# KiCad board enisadev.kicad_pcb
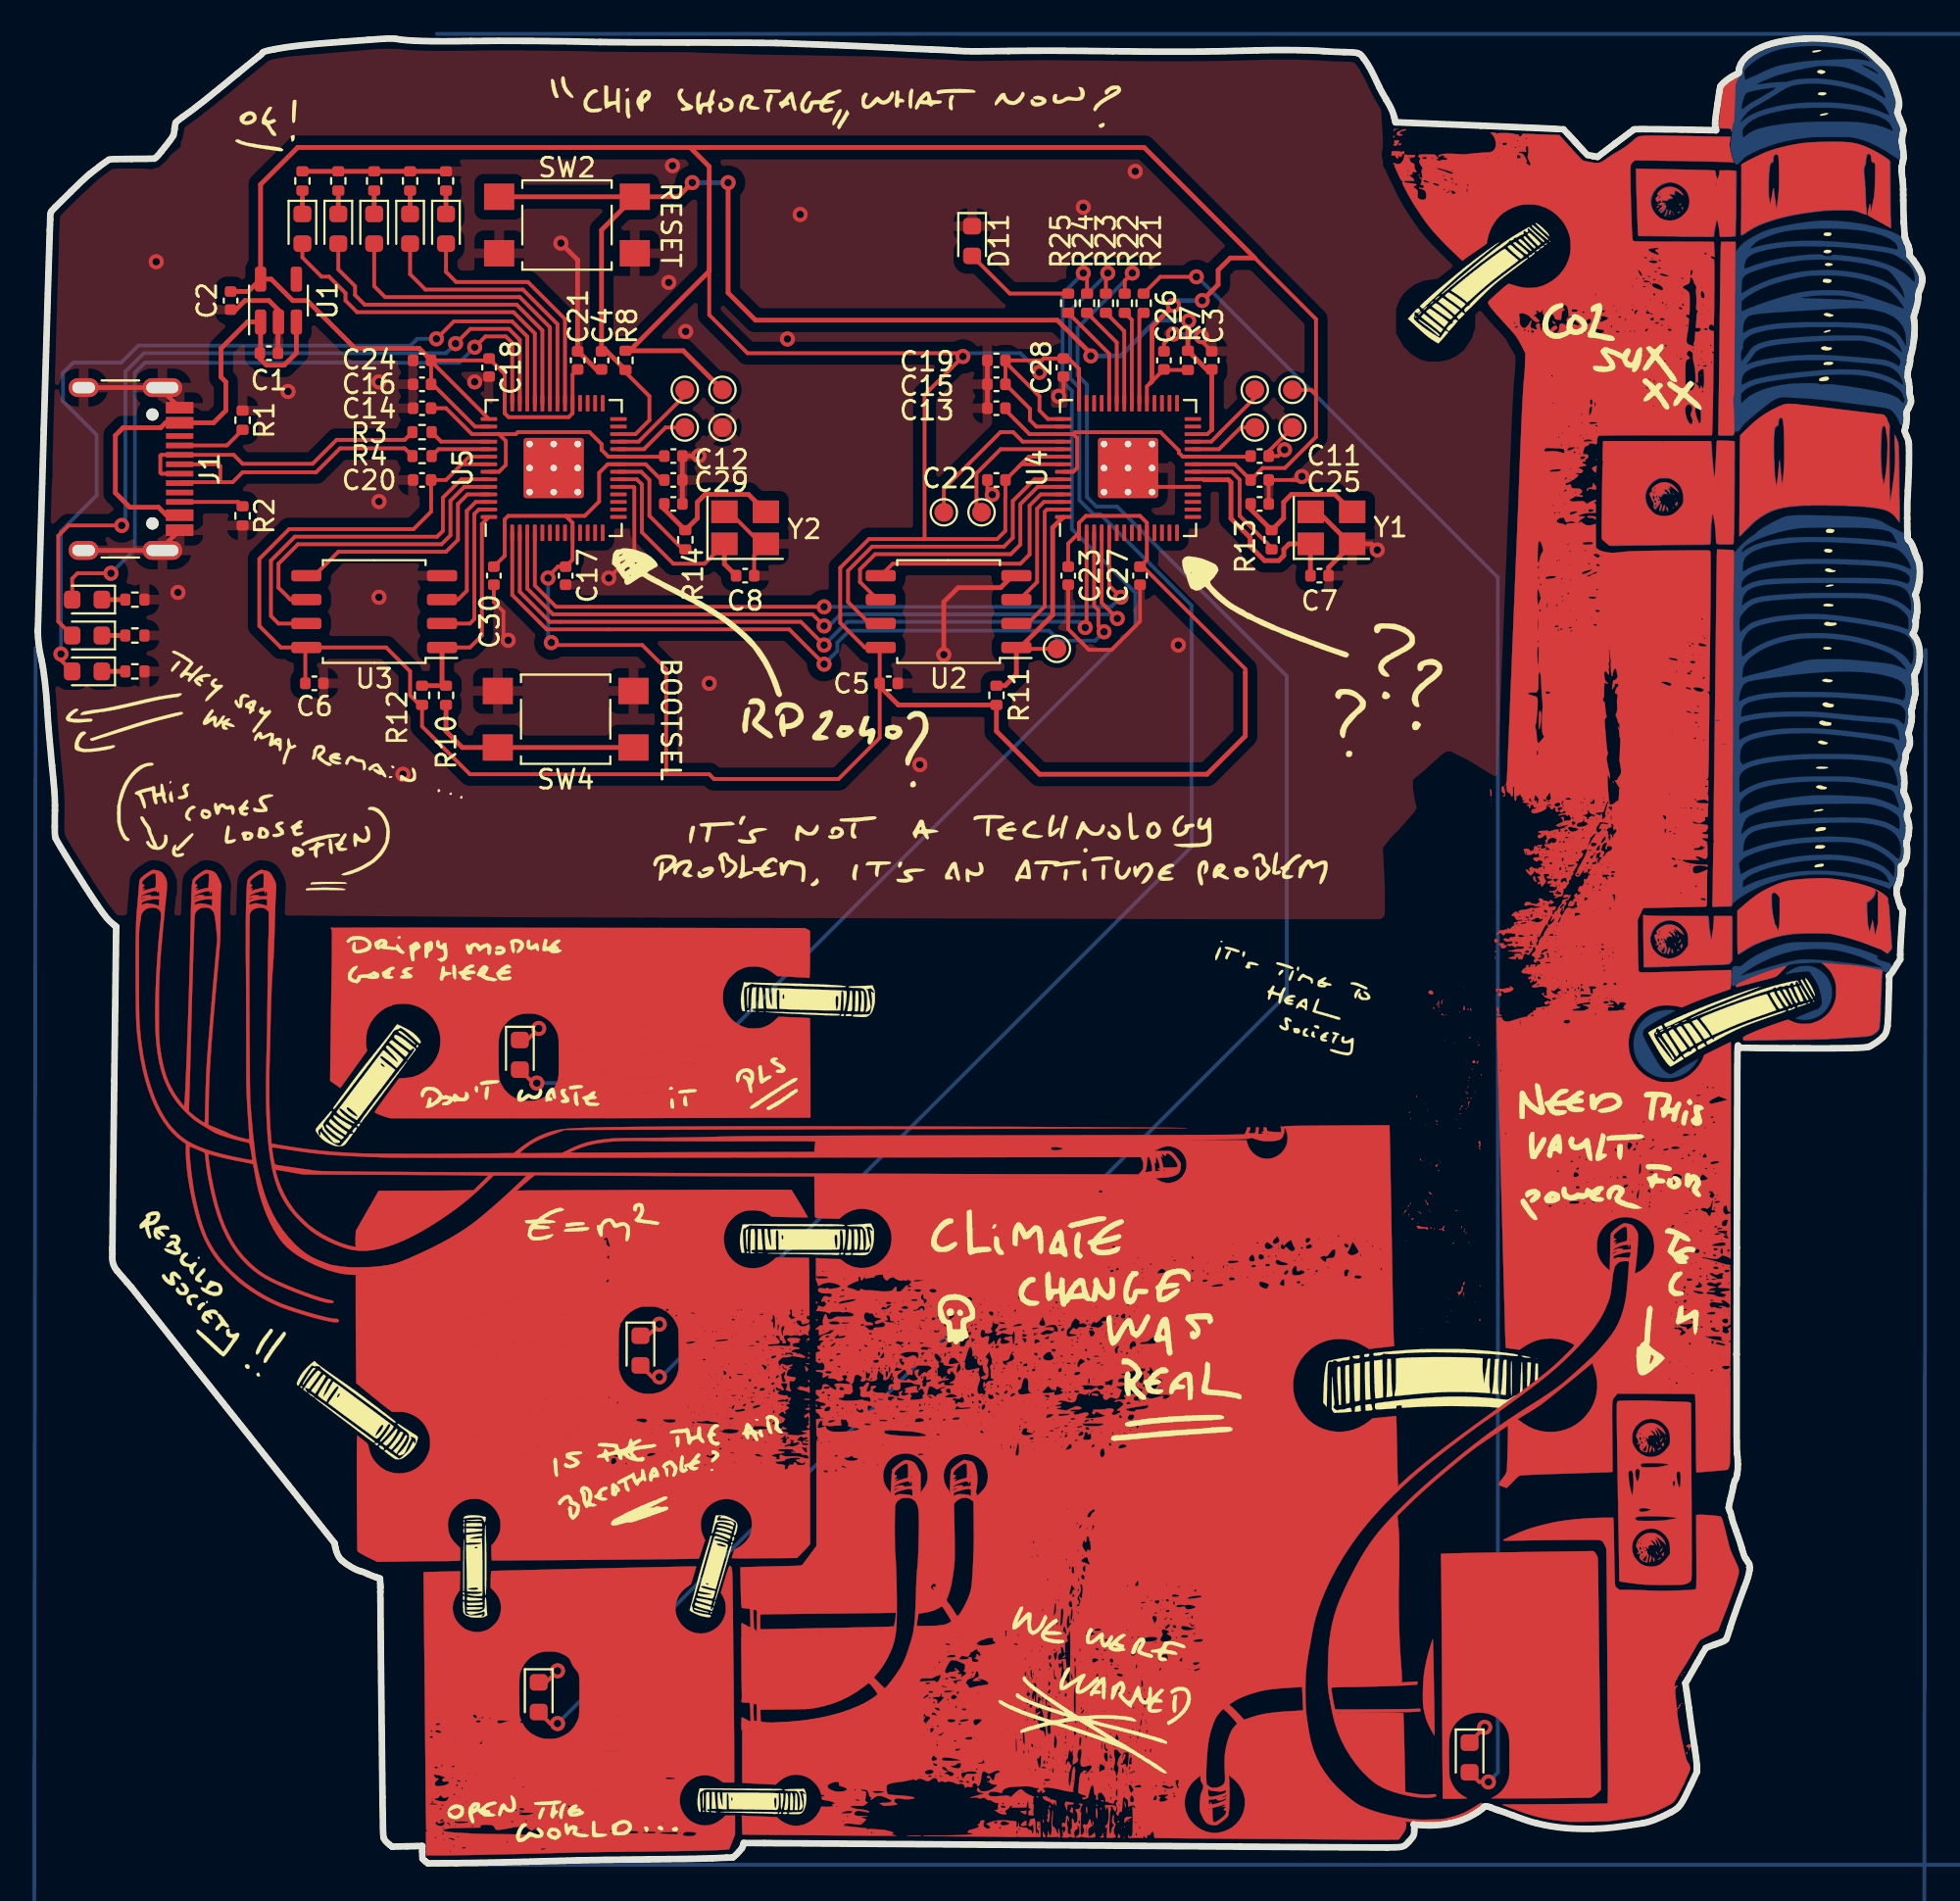
[diagram p0: board, top side]
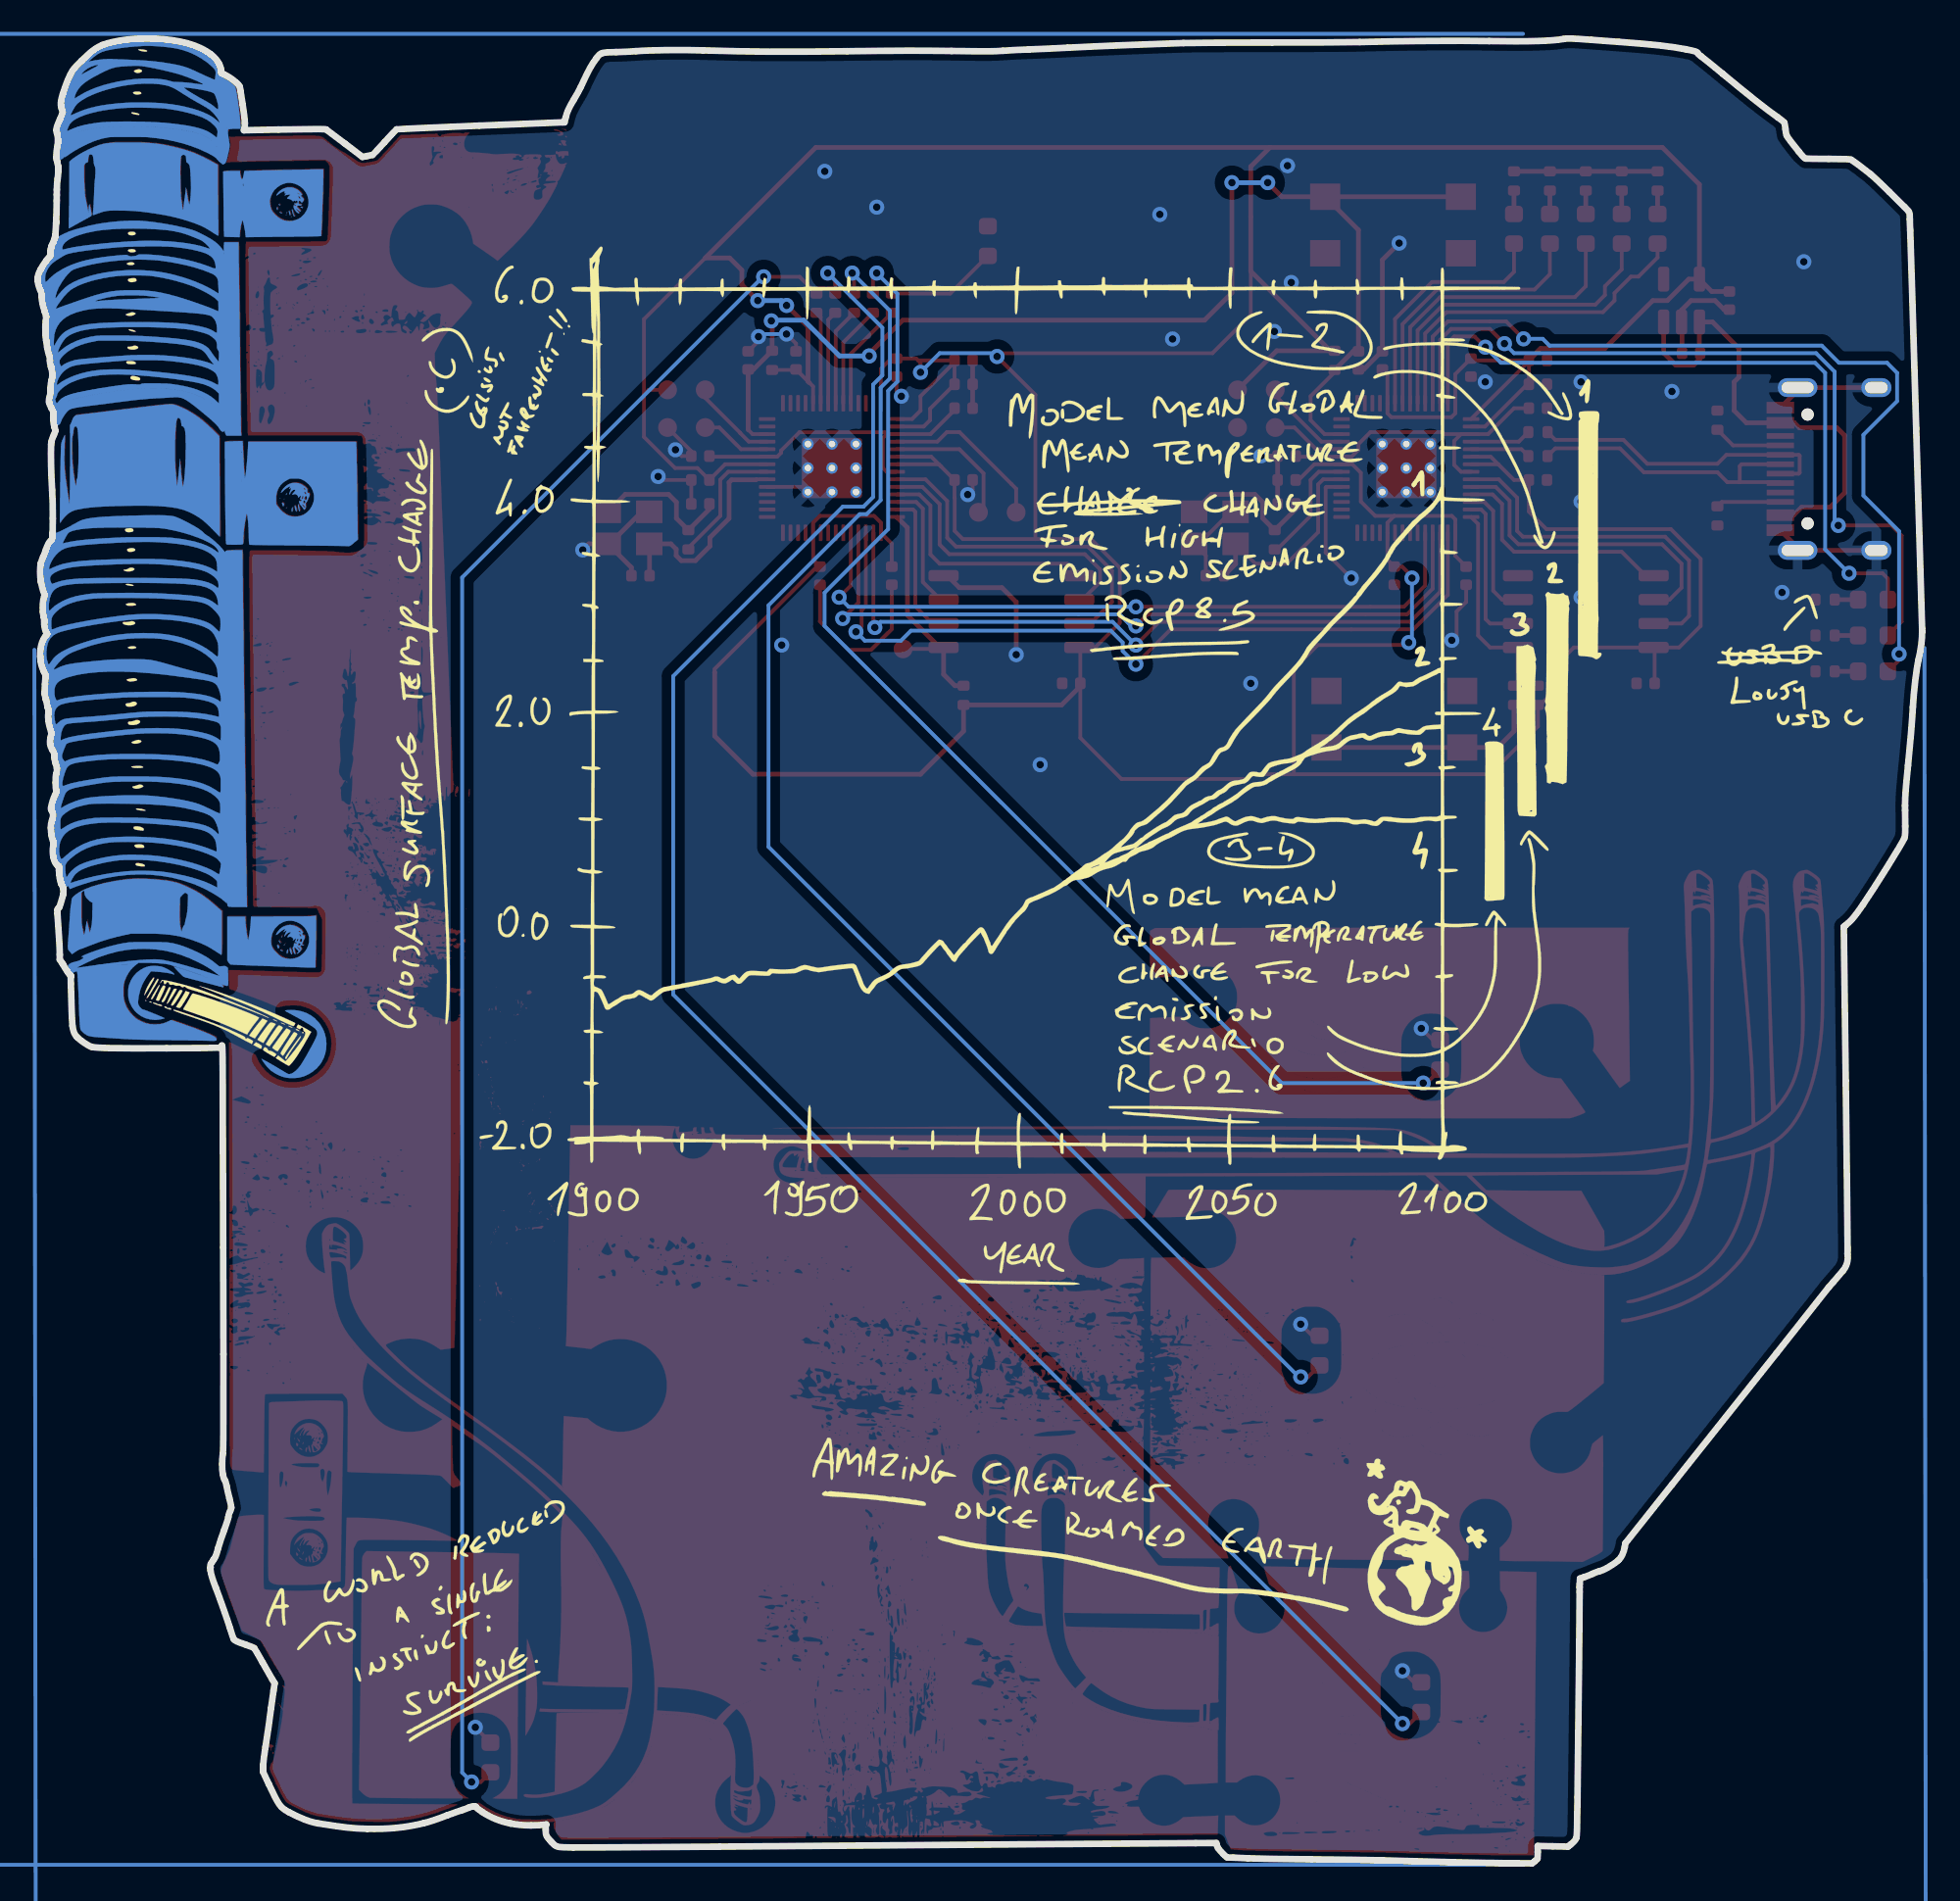
[diagram p1: board, bottom side, seen from below]

Outline 100.01 x 96.92 mm; copper layers: Top, Bottom. Coordinates in mm from the lower left corner of the outline.
Stack: Top 0.035mm / dielectric 1.51mm FR4 er 4.5 / Bottom 0.035mm

## Placement (name value [footprint] x y rotation side)
C1  1uF  [C_0402_1005Metric]  12.27 80.17 0 top
C2  1uF  [C_0402_1005Metric]  10.24 82.96 270 top
C3  100nF  [C_0402_1005Metric]  62.31 79.78 90 top
C4  100nF  [C_0402_1005Metric]  29.92 79.78 270 top
C5  100nF  [C_0402_1005Metric]  45.16 62.64 0 top
C6  100nF  [C_0402_1005Metric]  14.68 62.64 0 top
C7  8pF  [C_0402_1005Metric]  68.02 68.35 0 top
C8  8pF  [C_0402_1005Metric]  37.54 68.35 0 top
C9  8pF  [C_0402_1005Metric]  64.85 72.16 0 top
C10  8pF  [C_0402_1005Metric]  33.73 72.16 0 top
C11  100nF  [C_0402_1005Metric]  64.85 74.7 180 top
C12  100nF  [C_0402_1005Metric]  33.73 74.7 180 top
C13  1uF  [C_0402_1005Metric]  50.88 77.24 0 top
C14  1uF  [C_0402_1005Metric]  20.4 77.24 0 top
C15  1uF  [C_0402_1005Metric]  50.88 78.51 0 top
C16  1uF  [C_0402_1005Metric]  20.4 78.51 0 top
C17  100nF  [C_0402_1005Metric]  28.02 68.35 270 top
C18  100nF  [C_0402_1005Metric]  23.95 79.4 270 top
C19  100nF  [C_0402_1005Metric]  50.88 79.78 180 top
C20  100nF  [C_0402_1005Metric]  20.4 73.43 180 top
C21  100nF  [C_0402_1005Metric]  28.65 79.78 270 top
C22  100nF  [C_0402_1005Metric]  50.88 73.43 0 top
C23  100nF  [C_0402_1005Metric]  54.69 68.35 270 top
C24  100nF  [C_0402_1005Metric]  20.4 79.78 180 top
C25  100nF  [C_0402_1005Metric]  64.85 73.43 180 top
C26  100nF  [C_0402_1005Metric]  59.77 79.78 270 top
C27  100nF  [C_0402_1005Metric]  58.5 68.35 90 top
C28  100nF  [C_0402_1005Metric]  54.43 79.4 90 top
C29  100nF  [C_0402_1005Metric]  33.73 73.43 180 top
C30  100nF  [C_0402_1005Metric]  24.21 68.35 90 top
D4  LED  [LED_0603_1608Metric]  2.62 63.27 180 top
D5  LED  [LED_0603_1608Metric]  2.62 65.18 180 top
D6  LED  [LED_0603_1608Metric]  2.62 67.08 180 top
D7  LED  [LED_0603_1608Metric]  75.99 5.62 270 top
D8  LED  [LED_0603_1608Metric]  26.59 8.82 270 top
D9  LED  [LED_0603_1608Metric]  31.99 27.22 270 top
D10  LED  [LED_0603_1608Metric]  25.59 42.92 270 top
D11  LED  [LED_0603_1608Metric]  49.59 86.12 270 top
D12  LED  [LED_0603_1608Metric]  21.67 86.77 270 top
D13  LED  [LED_0603_1608Metric]  19.76 86.77 270 top
D14  LED  [LED_0603_1608Metric]  17.86 86.77 270 top
D15  LED  [LED_0603_1608Metric]  15.95 86.77 270 top
D16  LED  [LED_0603_1608Metric]  14.05 86.77 270 top
G***  LOGO  [ENISA22_B.SilkS]  40.39 51.32 0 top
G***#2  LOGO  [ENISA22_F.SilkS]  50.09 50.12 0 top
G***#3  LOGO  [ENISA22_B.Mask]  87.06 73.01 0 top
G***#4  LOGO  [ENISA22_HANDLE_B.SilkS]  50.12 50.16 0 top
G***#5  LOGO  [ENISA22_F.SilkS_FrontPosting]  50.09 50.12 0 top
G***#6  LOGO  [ENISA22_F.Mask]  50.09 50.12 0 top
G***#7  LOGO  [ENISA22_F.Cu]  50.09 50.12 0 top
G***#8  LOGO  [ENISA22_B.Cu]  88.32 72.95 0 bottom
J1  USB_C_Receptacle_USB2.0  [USB_C_Receptacle_HRO_TYPE-C-31-M-12]  3.49 74.02 270 top
R1  5.1k  [R_0402_1005Metric]  10.87 76.61 270 top
R2  5.1k  [R_0402_1005Metric]  10.87 71.53 270 top
R3  27R  [R_0402_1005Metric]  20.4 75.97 180 top
R4  27R  [R_0402_1005Metric]  20.4 74.7 180 top
R7  10k  [R_0402_1005Metric]  61.04 79.78 90 top
R8  10k  [R_0402_1005Metric]  31.19 79.78 270 top
R10  1k  [R_0402_1005Metric]  21.67 62 90 top
R11  10k  [R_0402_1005Metric]  50.88 62 90 top
R12  10k  [R_0402_1005Metric]  20.4 62 90 top
R13  1k  [R_0402_1005Metric]  65.48 70.26 90 top
R14  1k  [R_0402_1005Metric]  34.37 70.26 90 top
R18  1k  [R_0402_1005Metric]  5.16 63.27 180 top
R19  1k  [R_0402_1005Metric]  5.16 65.18 180 top
R20  1k  [R_0402_1005Metric]  5.16 67.08 180 top
R21  1k  [R_0402_1005Metric]  58.69 82.82 270 top
R22  1k  [R_0402_1005Metric]  57.69 82.82 270 top
R23  1k  [R_0402_1005Metric]  56.69 82.82 270 top
R24  1k  [R_0402_1005Metric]  55.69 82.82 270 top
R25  1k  [R_0402_1005Metric]  54.69 82.82 270 top
R26  1k  [R_0402_1005Metric]  21.67 89.31 270 top
R27  1k  [R_0402_1005Metric]  19.76 89.31 270 top
R28  1k  [R_0402_1005Metric]  17.86 89.31 270 top
R29  1k  [R_0402_1005Metric]  15.95 89.31 270 top
R30  1k  [R_0402_1005Metric]  14.05 89.31 270 top
SW2  SW_Push  [SW_SPST_TL3305A]  28.09 86.97 180 top
SW4  SW_Push  [SW_SPST_TL3305A]  28.02 60.73 180 top
TP1  TestPoint  [TestPoint_Pad_D1.0mm]  66.59 76.22 90 top
TP2  TestPoint  [TestPoint_Pad_D1.0mm]  64.59 76.22 90 top
TP3  TestPoint  [TestPoint_Pad_D1.0mm]  64.59 78.22 90 top
TP4  TestPoint  [TestPoint_Pad_D1.0mm]  66.59 78.22 90 top
TP5  TestPoint  [TestPoint_Pad_D1.0mm]  36.34 76.22 90 top
TP6  TestPoint  [TestPoint_Pad_D1.0mm]  34.34 76.22 90 top
TP7  TestPoint  [TestPoint_Pad_D1.0mm]  34.34 78.22 90 top
TP8  TestPoint  [TestPoint_Pad_D1.0mm]  36.34 78.22 90 top
TP9  TestPoint  [TestPoint_Pad_D1.0mm]  54.09 64.47 90 top
TP10  TestPoint  [TestPoint_Pad_D1.0mm]  50.09 71.72 90 top
TP11  TestPoint  [TestPoint_Pad_D1.0mm]  48.09 71.72 90 top
U1  TLV70233_SOT23-5  [SOT-23-5]  12.78 82.96 90 top
U2  W25Q32JV  [SOIC-8_5.23x5.23mm_P1.27mm]  48.34 66.45 180 top
U3  W25Q32JV  [SOIC-8_5.23x5.23mm_P1.27mm]  17.86 66.45 180 top
U4  RP2040  [RP2040-QFN-56]  57.86 74.07 90 top
U5  RP2040  [RP2040-QFN-56]  27.38 74.07 90 top
Y1  Crystal_GND24  [Crystal_SMD_3225-4Pin_3.2x2.5mm]  68.66 70.89 0 top
Y2  Crystal_GND24  [Crystal_SMD_3225-4Pin_3.2x2.5mm]  37.54 70.89 0 top

## Library data of the parts
C1 C2 C13-C16 = -: LCSC: C52923
C3-C6 C11 C12 C17-C30 = -: LCSC: C1525
C7-C10 = -: LCSC: C26408
D4-D16 = -: LCSC: C2290
J1 = -: LCSC: C167321
R1 R2 = -: LCSC: C25905
R3 R4 = -: LCSC: C25100
R7 R8 R11 R12 = -: LCSC: C25744
R10 R13 R14 R18-R30 = -: LCSC: C11702
SW2 SW4 = -: LCSC: C92581
U1 = -: LCSC: C51282
U2 U3 = -: LCSC: C82344
U4 U5 = -: LCSC: C2040
Y1 Y2 = -: LCSC: C279584

## Footprints (pads in the part's own frame, mm; a bottom-side part is the same pattern mirrored in y, then rotated)
C_0402_1005Metric
  rrect 0.56x0.62 smd: 1(-0.48,0) 2(0.48,0)
Crystal_SMD_3225-4Pin_3.2x2.5mm
  rect 1.4x1.2 smd: 1(-1.1,-0.85) 2(1.1,-0.85) 3(1.1,0.85) 4(-1.1,0.85)
LED_0603_1608Metric
  rrect 0.875x0.95 smd: 1(-0.787,0) 2(0.787,0)
R_0402_1005Metric
  rrect 0.54x0.64 smd: 1(-0.51,0) 2(0.51,0)
RP2040-QFN-56
  rrect 1.084x1.084 smd: (-0.637,0.637) (-0.637,-0.637) (0.637,0.637) (0.637,-0.637)
  rrect 0.875x0.2 smd: 1(-3.438,2.6) 2(-3.438,2.2) 3(-3.438,1.8) 4(-3.438,1.4) 5(-3.438,1) 6(-3.438,0.6) 7(-3.438,0.2) 8(-3.438,-0.2) 9(-3.438,-0.6) 10(-3.438,-1) 11(-3.438,-1.4) 12(-3.438,-1.8) 13(-3.438,-2.2) 14(-3.438,-2.6) 29(3.438,-2.6) 30(3.438,-2.2) 31(3.438,-1.8) 32(3.438,-1.4) 33(3.438,-1) 34(3.438,-0.6) 35(3.438,-0.2) 36(3.438,0.2) 37(3.438,0.6) 38(3.438,1) 39(3.438,1.4) 40(3.438,1.8) 41(3.438,2.2) 42(3.438,2.6)
  rrect 0.2x0.875 smd: 15(-2.6,-3.438) 16(-2.2,-3.438) 17(-1.8,-3.438) 18(-1.4,-3.438) 19(-1,-3.438) 20(-0.6,-3.438) 21(-0.2,-3.438) 22(0.2,-3.438) 23(0.6,-3.438) 24(1,-3.438) 25(1.4,-3.438) 26(1.8,-3.438) 27(2.2,-3.438) 28(2.6,-3.438) 43(2.6,3.438) 44(2.2,3.438) 45(1.8,3.438) 46(1.4,3.438) 47(1,3.438) 48(0.6,3.438) 49(0.2,3.438) 50(-0.2,3.438) 51(-0.6,3.438) 52(-1,3.438) 53(-1.4,3.438) 54(-1.8,3.438) 55(-2.2,3.438) 56(-2.6,3.438)
  round 0.6 hole 0.35: 57(-1.275,1.275) 57(-1.275,0) 57(-1.275,-1.275) 57(0,1.275) 57(0,0) 57(0,-1.275) 57(1.275,1.275) 57(1.275,0) 57(1.275,-1.275)
  rrect 3.2x3.2 smd: 57(0,0)
SOIC-8_5.23x5.23mm_P1.27mm
  rrect 1.6x0.6 smd: 1(-3.6,1.905) 2(-3.6,0.635) 3(-3.6,-0.635) 4(-3.6,-1.905) 5(3.6,-1.905) 6(3.6,-0.635) 7(3.6,0.635) 8(3.6,1.905)
SOT-23-5
  rrect 1.325x0.6 smd: 1(-1.137,0.95) 2(-1.137,0) 3(-1.137,-0.95) 4(1.137,-0.95) 5(1.137,0.95)
SW_SPST_TL3305A
  rect 1.6x1.4 smd: 1(-3.6,1.5) 1(3.6,1.5) 2(-3.6,-1.5) 2(3.6,-1.5)
TestPoint_Pad_D1.0mm
  round 1 smd: 1(0,0)
USB_C_Receptacle_HRO_TYPE-C-31-M-12
  round 0.65 hole 0.65 unplated: (-2.89,2.6) (2.89,2.6)
  rect 0.6x1.45 smd: A1(-3.25,4.045) A4(-2.45,4.045) A9(2.45,4.045) A12(3.25,4.045) B1(3.25,4.045) B4(2.45,4.045) B9(-2.45,4.045) B12(-3.25,4.045)
  rect 0.3x1.45 smd: A5(-1.25,4.045) A6(-0.25,4.045) A7(0.25,4.045) A8(1.25,4.045) B5(1.75,4.045) B6(0.75,4.045) B7(-0.75,4.045) B8(-1.75,4.045)
  oval 1x2.1 hole 0.6x1.7: S1(-4.32,3.13) S1(4.32,3.13)
  oval 1x1.6 hole 0.6x1.2: S1(-4.32,-1.05) S1(4.32,-1.05)

## Nets
+3.3V: C2.1 C5.1 C6.1 C15.2 C16.2 C17.1 C18.1 C19.1 C20.1 C21.2 C22.2 C23.1 C24.1 C25.2 C26.2 C27.2 C28.2 C29.2 C30.2 R7.1 R8.1 R11.1 R12.1 TP4.1 TP8.1 U1.5 U2.8 U3.8 U4.1 U4.10 U4.22 U4.33 U4.42 U4.43 U4.44 U4.48 U4.49 U5.1 U5.10 U5.22 U5.33 U5.42 U5.43 U5.44 U5.48 U5.49
GND: C1.2 C2.2 C3.2 C4.2 C5.2 C6.2 C7.2 C8.2 C9.2 C10.2 C11.1 C12.1 C13.1 C14.1 C15.1 C16.1 C17.2 C18.2 C19.2 C20.2 C21.1 C22.1 C23.2 C24.2 C25.1 C26.1 C27.1 C28.1 C29.1 C30.1 D7.1 D8.1 D9.1 D10.1 D11.1 J1.A1 J1.A12 J1.B1 J1.B12 J1.S1 R1.1 R2.2 R18.1 R19.1 R20.1 R26.1 R27.1 R28.1 R29.1 R30.1 SW2.1 SW4.2 TP1.1 TP5.1 U1.2 U2.4 U3.4 U4.19 U4.57 U5.19 U5.57 Y1.2 Y1.4 Y2.2 Y2.4
VBUS: C1.1 J1.A4 J1.A9 J1.B4 J1.B9 U1.1 U1.3
1_USB_D+: R4.1 U5.47
1_USB_D-: R3.1 U5.46
1D+: J1.A6 J1.B6 R4.2
1D-: J1.A7 J1.B7 R3.2
/SWCLK_1: TP6.1 U5.24
/SWCLK_2: TP2.1 U4.24
/SWD_1: TP7.1 U5.25
/SWD_2: TP3.1 U4.25
LED1_1: D12.2 U5.34
LED1_2: R21.2 U4.34
LED2_1: D13.2 U5.35
LED2_2: R22.2 U4.35
LED3_1: D14.2 U5.36
LED3_2: R23.2 U4.36
LED4_1: D15.2 U5.37
LED4_2: R24.2 U4.37
LED5_1: D16.2 U5.38
LED5_2: R25.2 U4.38
LEDA_1: D4.2 U5.39
LEDB_1: D5.2 U5.40
LEDC_1: D6.2 U5.41
PMOD1: U4.11
PMOD2: U4.12
PMOD3: U4.13
PMOD4: U4.14
PMOD5: U4.15
PMOD6: U4.16
PMOD7: U4.17
PMOD8: U4.18
QSPI_SCLK_1: U3.6 U5.52
QSPI_SCLK_2: U2.6 U4.52
QSPI_SD0_1: U3.5 U5.53
QSPI_SD0_2: U2.5 U4.53
QSPI_SD1_1: U3.2 U5.55
QSPI_SD1_2: U2.2 U4.55
QSPI_SD2_1: U3.3 U5.54
QSPI_SD2_2: U2.3 U4.54
QSPI_SD3_1: U3.7 U5.51
QSPI_SD3_2: U2.7 U4.51
QSPI_SS_1: R10.2 R12.2 U3.1 U5.56
QSPI_SS_2: R11.2 TP9.1 U2.1 U4.56
RESET_1: C3.1 C4.1 R7.2 R8.2 SW2.2 U4.26 U5.26
UART_CTS: U4.4 U5.4
UART_RTS: U4.5 U5.5
UART_RX: U4.2 U5.3
UART_TX: U4.3 U5.2
XIN_1: C8.1 U5.20 Y2.1
XIN_2: C7.1 U4.20 Y1.1
XOUT_1: R14.1 U5.21
XOUT_2: R13.1 U4.21
Net-(C9-Pad1): C9.1 R13.2 Y1.3
Net-(C10-Pad1): C10.1 R14.2 Y2.3
Net-(C11-Pad2): C11.2 C13.2 U4.23 U4.45 U4.50
Net-(C12-Pad2): C12.2 C14.2 U5.23 U5.45 U5.50
Net-(D4-Pad1): D4.1 R18.2
Net-(D5-Pad1): D5.1 R19.2
Net-(D6-Pad1): D6.1 R20.2
Net-(D8-Pad2): D8.2 R22.1
Net-(D10-Pad2): D10.2 R24.1
Net-(D11-Pad2): D11.2 R25.1
Net-(D12-Pad1): D12.1 R26.2
Net-(D13-Pad1): D13.1 R27.2
Net-(D14-Pad1): D14.1 R28.2
Net-(D15-Pad1): D15.1 R29.2
Net-(D16-Pad1): D16.1 R30.2
Net-(J1-PadB5): J1.B5 R2.1
Net-(R1-Pad2): J1.A5 R1.2
Net-(R10-Pad1): R10.1 SW4.1
Net-(R21-Pad1): D7.2 R21.1
Net-(R23-Pad1): D9.2 R23.1
Net-(U4-Pad46): TP11.1 U4.46
Net-(U4-Pad47): TP10.1 U4.47

Pads without a net: J1 A8 B8; U1 4; U4 6 7 8 9 27 28 29 30 31 32 39 40 41; U5 6 7 8 9 11 12 13 14 15 16 17 18 27 28 29 30 31 32

## Via types
v1: diameter 0.8, hole 0.4, Top to Bottom, 66 vias

## Routing (per net, layer and track width the routed paths; a pad name or vN(x,y) marks a point on that pad's centre or on a via; arc(x,y) is an arc through that point)
+3.3V: length 367.7
  Top w0.2: C6.1 14.2,64.49 U3.8 ; C24.1 C16.2 20.96,78.51 23.21,76.27 U5.44 ; C24.1 23.86,79.78 C18.1 24.78,79.05 U5.42 24.78,76.97 24.99,76.77 28.18,76.77 28.38,76.97 U5.33 28.38,79.03 C21.2 ; C24.1 20.88,79.74 U5.43 ; v1(27.08,68.23) 27.08,68.31 27.61,68.83 28.02,68.83 28.38,69.2 U5.10 28.38,71.16 28.02,71.53 ; 35.64,87.41 35.64,82.2 37.67,80.17 48.92,80.17 v1(49.1,79.99) 47.07,77.96 47.07,70.3 ; U4.43 53.61,76.67 53.16,77.12 53.16,77.88 51.36,79.69 C19.1 ; U4.49 52.19,74.27 52.07,74.15 ; 22.5,74.27 U5.49 ; 22.5,74.27 21.67,73.43 C20.1 20.88,71.76 19.95,70.82 13.34,70.82 11.76,69.24 11.76,65.69 12.91,64.54 U3.8 ; 22.5,74.27 22.9,74.67 U5.48 ; U4.42 55.26,79.34 54.72,79.88 C28.2 53.39,79.88 53.29,79.78 ; 52.07,74.15 C22.2 51.36,72.49 51.35,72.48 51.35,70.73 50.92,70.3 47.07,70.3 ; 52.07,74.15 52.59,74.67 U4.48 ; U4.44 53,76.27 52.66,76.61 52.66,77.22 C15.2 C19.1 ; 54.69,68.83 54.69,70.06 U4.1 55.26,71.16 55.63,71.53 58.5,71.53 58.86,71.16 U4.10 58.86,69.2 58.5,68.83 58.65,68.83 64.09,63.4 64.09,63.22 ; 47.07,70.3 44.11,70.3 42.59,68.77 42.59,65.85 43.89,64.54 U2.8 44.68,64.49 C5.1 44.68,59.75 42.5,57.56 35.89,57.56 35.64,57.81 22.94,57.81 20.4,60.35 R12.1 20.27,61.49 19.76,62 19.76,63.27 18.49,64.54 U3.8 ; 28.02,71.53 29.03,71.53 29.8,72.29 29.8,73.82 30.25,74.27 U5.22 32.26,74.27 33.1,73.43 33.25,73.43 ; 28.02,71.53 24.97,71.53 24.78,71.34 U5.1 24.78,69.41 24.21,68.83 ; v1(27.26,64.8) 27.39,64.67 32.08,64.67 33.35,63.4 33.35,57.81 ; C19.1 53.29,79.78 ; U4.22 63.53,74.27 C25.2 65,74.07 66.19,74.07 67.84,75.72 67.84,77.97 ; U4.33 58.86,78.4 C26.2 59.8,79.27 61.04,79.27 ; 53.29,79.78 53.16,79.66 v1(53.16,79.15) ; TP4.1 67.59,78.22 67.84,77.97 ; 64.59,85.22 67.84,81.97 67.84,77.97
  Top w0.25: 34.62,91.09 35.64,90.07 35.64,84.52 31.41,80.29 R8.1 34.26,80.29 TP8.1 ; 34.62,91.09 58.72,91.09 64.59,85.22 63.29,85.22 62.65,84.58 62.65,83.8 v1(61.8,82.96) ; 34.62,91.09 13.79,91.09 11.83,89.12 U1.5 ; C5.1 44.68,62.48 45.67,61.49 R11.1 50.88,60.1 53.16,57.81 62.05,57.81 64.09,59.85 64.09,63.22 64.09,63.22 ; C24.1 20.88,79.79 20.25,80.42 16.84,80.42 14.3,82.96 13.53,82.96 12.39,84.1 U1.5 ; 59.06,78.59 59.13,78.67 59.13,81.56 v1(60.27,82.7) ; C2.1 11.17,83.44 U1.5
  Bottom w0.2: v1(27.08,68.23) 27.08,64.98 v1(27.26,64.8) ; v1(49.1,79.99) 49.28,80.17 52.15,80.17 v1(53.16,79.15)
  Bottom w0.25: v1(61.8,82.96) 60.53,82.96 v1(60.27,82.7)
GND: length 94.2
  Top w0.2: C23.2 54.69,65.52 55.78,64.42 56.99,64.42 58.5,65.93 C27.1 ; v1(26.59,44.32) 25.98,43.71 D10.1 ; v1(66.17,75.04) 65.83,74.7 C11.1 65.33,74.96 TP1.1 ; v1(67.09,73.62) 66.99,73.62 66.8,73.43 C25.1 C9.2 ; D8.1 26.98,9.61 v1(27.59,10.22) ; C26.1 59.77,80.67 v1(60.28,81.18) ; C28.1 54.43,78.13 v1(54.18,77.88) ; 38.02,68.35 38.02,69.42 Y2.2 38.39,70.04 36.69,71.74 Y2.4 ; D7.1 75.99,6.42 v1(76.79,7.22) ; U5.19 31.63,73.07 31.66,73.03 31.66,69.59 v1(30.3,68.23) ; v1(50.66,72.66) 50.4,72.92 C22.1 ; C3.2 61.76,80.81 v1(61.76,81.05) ; v1(24.97,64.93) 24.72,65.18 24.72,66.45 24.21,66.96 C30.1 ; U4.57 59.41,73.07 U4.19 ; D9.1 32.38,28.01 v1(32.99,28.62)
  Top w0.25: R26.1 R27.1 R28.1 R29.1 R30.1 ; C10.2 C29.1 C12.1 35.07,74.7 v1(35.09,74.72) ; v1(71.09,69.72) 70.76,70.04 Y1.2 ; C4.2 29.64,79.3 28.68,80.26 C21.1 28.65,85.12 v1(27.76,86.01) ; C19.2 C15.1 C13.1 ; U2.4 51.74,68.35 51.1,67.72 48.85,67.72 48.08,66.96 v1(48.08,64.16) ; J1.S1 J1.S1 6.62,78.18 J1.A1 ; C1.2 12.75,81.79 U1.2 12.78,82.45 12.27,82.96 11,82.96 10.52,82.48 C2.2 ; J1.A12 6.62,69.85 J1.S1 J1.S1 ; C7.2 68.5,68.79 Y1.2 ; Y1.2 69.66,70.04 67.96,71.74 Y1.4
  Bottom w0.2: v1(61.76,81.05) 61.63,81.18 v1(60.28,81.18)
  vias: v1(6.29,85.02) v1(7.44,67.47) v1(13.29,78.13) v1(18.11,78.64) v1(18.11,72.29) v1(18.11,67.21) v1(19.38,57.81) v1(23.19,78.64) v1(33.49,83.92) v1(33.69,90.12) v1(34.39,81.32) v1(35.64,62.64) v1(39.79,80.92) v1(40.46,87.53) v1(46.81,58.32) v1(55.49,87.92) v1(58.24,89.82) v1(60.53,64.67)
VBUS: length 25.4
  Top w0.25: J1.A9 6.83,71.57 6.41,71.99 4.89,71.99 4.12,72.75 4.12,75.8 4.54,76.21 6.53,76.21 6.79,76.47 J1.A4 9.34,76.47 9.98,77.12 9.98,78.64 9.73,78.9 9.73,80.42 11.13,81.82 U1.1 11.83,80.2 C1.1 11.79,79.88 12.14,79.53 13.08,79.53 13.73,80.18 U1.3
1_USB_D+: length 3.2
  Top w0.2: R4.1 21.27,75.07 U5.47
1_USB_D-: length 3.2
  Top w0.2: U5.46 21.41,75.47 R3.1
1D+: length 16.3
  Top w0.2: R4.2 19.48,75.11 16.05,75.11 14.78,73.84 10.87,73.84 10.35,73.32 9.69,73.32 ; 9.69,73.32 7.58,73.32 J1.B6 ; 9.69,73.32 9.69,74.17 9.59,74.27 J1.A6
1D-: length 16.2
  Top w0.2: R3.2 19.48,75.56 15.86,75.56 14.59,74.29 10.87,74.29 10.4,74.77 J1.B7 6.56,74.77 6.51,74.72 6.51,73.82 6.56,73.77 J1.A7
/SWCLK_1: length 4
  Top w0.2: U5.24 32.19,75.07 ; 32.19,75.09 33.32,76.22 TP6.1
/SWCLK_2: length 3.8
  Top w0.2: U4.24 62.69,75.07 63.84,76.22 TP2.1
/SWD_1: length 4.8
  Top w0.2: U5.25 31.89,75.47 34.34,77.92 TP7.1
/SWD_2: length 4.7
  Top w0.2: TP3.1 64.59,77.79 62.73,75.94 62.73,75.93 62.28,75.47 U4.25
LED1_1: length 13.3
  Top w0.2: D12.2 21.67,84.48 22.21,83.94 26.02,83.94 27.98,81.98 U5.34
LED1_2: length 4.9
  Top w0.2: U4.34 58.46,82.08 R21.2
LED2_1: length 14.7
  Top w0.2: U5.35 27.58,81.71 25.75,83.54 20.58,83.54 19.76,84.36 D13.2
LED2_2: length 5
  Top w0.2: U4.35 58.06,81.93 R22.2
LED3_1: length 16.5
  Top w0.2: D14.2 17.86,83.72 18.44,83.14 25.58,83.14 27.18,81.54 U5.36
LED3_2: length 5.2
  Top w0.2: R23.2 57.66,81.33 U4.36
LED4_1: length 17.7
  Top w0.2: U5.37 26.78,81.38 25.42,82.74 17.35,82.74 16.84,83.25 16.84,83.72 15.95,84.61 D15.2
LED4_2: length 5.5
  Top w0.2: R24.2 57.26,80.73 U4.37
LED5_1: length 18.7
  Top w0.2: D16.2 14.05,85.25 15.06,84.23 15.46,84.23 16.33,83.36 16.33,82.96 16.95,82.34 25.25,82.34 26.38,81.21 U5.38
LED5_2: length 5.7
  Top w0.2: R25.2 56.86,80.13 U4.38
LEDA_1: length 47.3
  Top w0.2: v1(21.16,80.93) 22.09,81.85 25.17,81.85 25.98,81.05 U5.39 ; v1(1.23,64.2) 1.23,63.87 D4.2
  Bottom w0.2: v1(1.23,64.2) 1.23,70.72 3.13,72.61 3.13,75.83 1.34,77.62 1.34,79.12 1.88,79.66 4.43,79.66 5.33,80.57 19.78,80.57 20.14,80.93 v1(21.16,80.93)
LEDB_1: length 42.9
  Top w0.2: U5.40 25.58,80.88 25.01,81.45 22.96,81.45 v1(22.18,80.67) ; D5.2 1.09,65.92 1.09,70.47 1.64,71.02 v1(4.46,71.02)
  Bottom w0.2: v1(4.46,71.02) 4.65,71.21 4.65,79.18 5.63,80.17 21.67,80.17 v1(22.18,80.67)
LEDC_1: length 38.6
  Top w0.2: v1(23.19,80.48) 23.76,81.05 24.84,81.05 25.18,80.71 U5.41 ; D6.2 1.83,68.2 2.11,68.48 v1(3.89,68.48)
  Bottom w0.2: v1(23.19,80.48) 22.37,79.66 5.69,79.66 5.16,79.12 5.16,69.75 v1(3.89,68.48)
QSPI_SCLK_1: length 16.9
  Top w0.2: U3.6 13.41,67.08 12.78,67.72 12.78,68.99 13.81,70.02 21.43,70.02 21.9,70.49 21.9,72.33 22.64,73.07 U5.52
QSPI_SCLK_2: length 16
  Top w0.2: U2.6 44.57,67.08 43.64,68.02 43.64,68.69 44.44,69.5 51.64,69.5 52.15,70.01 52.15,72.15 53.06,73.07 U4.52
QSPI_SD0_1: length 12.6
  Top w0.2: U3.5 14.68,68.35 15.95,69.62 21.67,69.62 22.3,70.26 22.3,72.16 22.81,72.67 U5.53
QSPI_SD0_2: length 13
  Top w0.2: U4.53 53.23,72.67 52.64,72.08 52.64,69.48 52.15,68.99 45.37,68.99 U2.5
QSPI_SD1_1: length 8.3
  Top w0.2: U3.2 22.94,65.81 23.17,66.05 23.17,71.63 23.41,71.87 U5.55
QSPI_SD1_2: length 7.9
  Top w0.2: U4.55 53.56,71.87 53.44,71.75 53.44,66.72 52.53,65.81 U2.2
QSPI_SD2_1: length 7.1
  Top w0.2: U3.3 22.3,67.08 22.77,67.55 22.77,71.8 23.25,72.27 U5.54
QSPI_SD2_2: length 6.9
  Top w0.2: U4.54 53.4,72.27 53.04,71.91 53.04,68.02 52.1,67.08 U2.3
QSPI_SD3_1: length 19.4
  Top w0.2: U3.7 12.78,65.81 12.38,66.21 12.38,69.16 13.65,70.42 21.2,70.42 21.5,70.73 21.5,72.5 22.48,73.47 U5.51
QSPI_SD3_2: length 18.4
  Top w0.2: U4.51 52.9,73.47 51.75,72.32 51.75,70.37 51.28,69.9 44.28,69.9 43,68.62 43,66.96 44.15,65.81 U2.7
QSPI_SS_1: length 12.2
  Top w0.2: U5.56 23.57,71.1 23.57,65.18 22.94,64.54 U3.1
  Top w0.25: U3.1 21.46,62.72 21.67,62.51 20.4,62.51
QSPI_SS_2: length 13
  Top w0.2: U2.1 52.01,64.47 TP9.1
  Top w0.25: 50.88,62.51 51.34,62.51 51.94,63.11 U2.1 52.14,64.54 53.86,66.27 53.86,70.91 54.4,71.44 54.43,71.44
RESET_1: length 68.4
  Top w0.2: U4.26 62.08,75.87 62.31,76.1 ; U5.26 31.72,75.87 32.46,76.61 32.46,77.88 31.19,79.15 31.19,79.27
  Top w0.25: 62.31,76.1 C3.1 62.03,79.3 R7.2 61.04,81.84 v1(61.08,81.88) ; v1(34.74,89.22) 33.99,88.47 SW2.2 ; 31.19,79.27 30.2,80.26 C4.1 29.92,86.7 SW2.2 ; v1(55.89,80.02) 55.89,80.14 54.11,81.92 38.09,81.92 36.64,83.37 v1(36.64,89.22) ; SW2.2 SW2.2
  Bottom w0.25: v1(55.89,80.02) 57.46,80.02 59.36,81.92 61.04,81.92 v1(61.08,81.88) ; v1(36.64,89.22) v1(34.74,89.22)
UART_CTS: length 40.3
  Top w0.2: v1(57.3,66.08) 56.46,66.91 U4.4 ; U5.4 25.98,67.67 27.34,66.3 41.12,66.3 v1(41.73,65.69)
  Bottom w0.2: v1(41.73,65.69) 41.99,65.69 42.6,66.3 57.07,66.3 v1(57.3,66.08)
UART_RTS: length 38.3
  Top w0.2: U4.5 56.86,67.83 v1(57.48,67.21) ; U5.5 26.38,67.83 27.51,66.7 v1(41.73,66.7)
  Bottom w0.2: v1(57.48,67.21) 56.97,66.7 v1(41.73,66.7)
UART_RX: length 40
  Top w0.2: U5.3 25.58,67.5 27.18,65.9 40.5,65.9 v1(41.73,64.67) ; v1(55.59,65.6) 55.66,65.68 U4.2
  Bottom w0.2: v1(41.73,64.67) 42.97,65.9 55.29,65.9 v1(55.59,65.6)
UART_TX: length 43.1
  Top w0.2: U4.3 56.06,66.75 56.29,66.52 56.29,65.68 v1(56.59,65.38) ; v1(41.73,63.66) 39.89,65.5 27.01,65.5 25.18,67.33 U5.2
  Bottom w0.2: v1(41.73,63.66) 42.43,64.36 42.43,64.81 43.06,65.43 53.67,65.43 54.2,64.9 56.12,64.9 v1(56.59,65.38)
XIN_1: length 11.3
  Top w0.2: U5.20 31.79,73.47 32.06,73.2 32.06,70.66 33.73,68.99 35.39,68.99 Y2.1
  Top w0.25: Y2.1 36.44,68.97 C8.1
XIN_2: length 11.7
  Top w0.2: U4.20 61.87,73.47 61.89,73.44
  Top w0.25: C7.1 67.54,70.03 Y1.1 66.41,70.04 66.13,69.76 66.13,69.42 65.86,69.15 65.11,69.15 64.34,69.92 64.34,70.38 63.32,71.39 63.32,73.31 63.19,73.44 61.89,73.44
XOUT_1: length 6.4
  Top w0.2: U5.21 32.03,73.87 32.46,73.43 32.46,71.53 34.24,69.75 R14.1
XOUT_2: length 7.1
  Top w0.2: U4.21 63.37,73.87 63.79,73.45 63.79,71.53 65.48,69.83 R13.1
Net-(C9-Pad1): length 7.8
  Top w0.25: Y1.3 68.83,72.67 66.53,72.67 66.12,72.25 66.12,71.4 R13.2 64.37,71.88 C9.1
Net-(C10-Pad1): length 7.8
  Top w0.25: Y2.3 37.72,72.67 35.42,72.67 35,72.25 35,71.4 R14.2 33.25,71.88 33.25,72.16
Net-(C11-Pad2): length 17
  Top w0.2: 54.96,75.87 54.96,75.87 U4.45 52.63,75.87 51.36,77.15 C13.2 ; 54.96,75.87 55.06,75.97 59.59,75.97 60.56,74.99 60.56,74.88 60.77,74.67 U4.23 64.33,74.67 C11.2 ; 54.96,75.87 55.16,75.66 55.16,74.07 54.96,73.87 U4.50
Net-(C12-Pad2): length 17.1
  Top w0.2: 33.25,74.7 33.22,74.67 U5.23 30.29,74.67 29.92,75.03 29.92,75.34 29.29,75.97 25.48,75.97 25.37,75.87 U5.45 ; U5.50 24.48,73.87 24.84,74.23 24.84,75.5 24.48,75.87 U5.45 ; U5.45 23.04,75.87 21.67,77.24 C14.2
Net-(D4-Pad1): length 1.2
  Top w0.25: R18.2 D4.1
Net-(D5-Pad1): length 1.2
  Top w0.25: R19.2 D5.1
Net-(D6-Pad1): length 1.2
  Top w0.25: R20.2 D6.1
Net-(D8-Pad2): length 102
  Top w0.2: v1(27.59,7.42) 27.2,7.42 D8.2 ; R22.1 57.69,84.02 v1(58.09,84.42)
  Bottom w0.2: v1(58.09,84.42) 55.19,81.52 55.19,78.99 55.68,78.5 55.68,72.53 56.19,72.02 57.29,72.02 66.29,63.02 66.29,46.12 v1(27.59,7.42)
Net-(D10-Pad2): length 65
  Top w0.2: D10.2 26.3,41.42 v1(26.49,41.42) ; v1(55.49,84.42) 55.69,84.22 R24.1
  Bottom w0.2: v1(26.49,41.42) 33.99,41.42 58.26,65.69 58.26,67.45 54.88,70.83 54.88,78.17 54.39,78.66 54.39,83.32 v1(55.49,84.42)
Net-(D11-Pad2): length 5.9
  Top w0.2: D11.2 51.59,83.33 R25.1
Net-(D12-Pad1): length 1.2
  Top w0.25: D12.1 R26.2
Net-(D13-Pad1): length 1.2
  Top w0.25: D13.1 R27.2
Net-(D14-Pad1): length 1.2
  Top w0.25: D14.1 R28.2
Net-(D15-Pad1): length 1.2
  Top w0.25: D15.1 R29.2
Net-(D16-Pad1): length 1.2
  Top w0.25: D16.1 R30.2
Net-(J1-PadB5): length 3.4
  Top w0.2: J1.B5 10.64,72.27 R2.1
Net-(R1-Pad2): length 3.7
  Top w0.2: R1.2 10.04,75.27 J1.A5
Net-(R10-Pad1): length 11.7
  Top w0.25: SW4.1 SW4.1 22.53,59.23 21.67,60.1 R10.1
Net-(R21-Pad1): length 91.1
  Top w0.2: D7.2 76.5,4.32 v1(76.99,4.32) ; v1(61.49,84.22) 59.58,84.22 R21.1
  Bottom w0.2: v1(76.99,4.32) 77.49,4.82 77.49,68.26 61.53,84.22 v1(61.49,84.22)
Net-(R23-Pad1): length 76.5
  Top w0.2: R23.1 56.69,84.32 v1(56.79,84.42) ; D9.2 32.6,25.82 v1(32.99,25.82)
  Bottom w0.2: v1(56.79,84.42) 54.79,82.42 54.79,78.83 55.28,78.34 55.28,72.36 56.02,71.62 56.39,71.62 61.23,66.78 61.23,53.96 33.09,25.82 v1(32.99,25.82)
Net-(U4-Pad46): length 9
  Top w0.2: TP11.1 48.09,72.97 51.09,75.97 51.77,75.97 52.27,75.47 U4.46
Net-(U4-Pad47): length 7.3
  Top w0.2: U4.47 51.1,75.07 49.82,73.79 49.82,71.99 TP10.1

## Copper pours and planes (outline as drawn; the poured copper is in the pictures)
GND on Top: 35.09,96.12 38.09,96.02 44.29,95.92 49.09,95.82 68.09,95.82 69.89,95.72 71.29,93.12 71.39,91.62 71.39,90.12 73.29,86.92 75.19,84.82 74.29,84.12 73.59,84.02 73.09,83.82 72.69,83.52 72.49,83.32 72.29,83.02 72.09,82.52 72.09,81.22 72.49,80.52 72.89,80.12 73.39,79.82 73.79,79.72 74.39,79.72 74.89,79.82 75.29,80.02 75.69,80.32 76.09,80.92 76.29,81.52 76.29,82.22 76.69,82.62 77.19,81.92 77.79,81.12 78.19,80.42 78.49,79.92 78.49,79.42 78.39,77.12 78.29,74.22 78.19,70.62 78.09,68.02 77.79,60.62 77.69,58.12 77.59,57.72 77.29,57.72 76.79,58.02 75.99,58.52 74.99,59.02 74.79,59.02 74.59,58.92 73.59,58.02 72.99,57.52 72.99,57.02 73.09,56.42 73.19,56.02 72.99,55.72 72.19,54.82 71.79,54.42 71.49,54.02 71.39,53.92 71.49,51.92 71.49,50.32 71.29,50.12 62.19,50.12 25.79,50.22 12.69,50.32 12.69,50.92 12.99,51.52 12.99,52.12 12.69,52.72 12.19,53.02 11.89,53.12 11.69,53.12 11.39,53.02 11.19,52.92 10.79,52.62 10.69,52.32 10.59,51.82 10.79,51.12 10.99,50.82 10.99,50.32 9.79,50.32 9.79,51.02 9.99,51.32 10.09,51.62 10.09,52.22 9.99,52.52 9.89,52.72 9.69,52.92 9.39,53.12 9.09,53.22 8.59,53.12 8.39,53.02 8.09,52.82 7.89,52.52 7.79,52.22 7.79,51.92 7.89,51.42 8.09,51.12 8.09,50.32 6.79,50.32 6.79,50.62 7.19,51.12 7.39,51.42 7.39,52.22 7.09,52.72 6.69,53.02 6.49,53.12 5.89,53.12 5.59,53.02 5.29,52.82 5.09,52.52 4.99,52.22 4.89,51.82 4.99,51.42 5.19,50.92 5.19,50.32 4.19,50.32 3.69,50.82 2.99,51.82 1.19,54.72 1.09,57.32 0.89,59.52 0.69,62.12 0.59,63.22 0.39,64.42 0.29,65.12 0.29,66.32 0.39,67.92 0.49,69.82 0.69,72.52 0.79,73.62 0.79,82.32 0.89,85.62 1.09,87.42 3.99,90.12 6.09,89.92 7.59,91.12 7.59,92.02 12.19,95.82 18.09,96.32 31.09,96.32
GND on Bottom: 90.39,-1.98 -0.51,-1.98 -0.51,97.82 90.29,97.42

## Text on the board
F.Silkscreen: RESET | BOOTSEL
